# Altium PCB Archimajor.PcbDoc (part 6 of 12)
Units mm, origin at the board's own origin, x right, y up, seen from the top; angles counter-clockwise.
Board outline 190 x 140 mm, 6 copper layers (Top Layer, Top GND, Power Plane, Mid1, Bot GND, Bottom Layer), stack 1.776 mm thick; 842 components, 658 nets, 2620 pads, 2775 vias.
Unrouted connection lines stored in the file: 128.
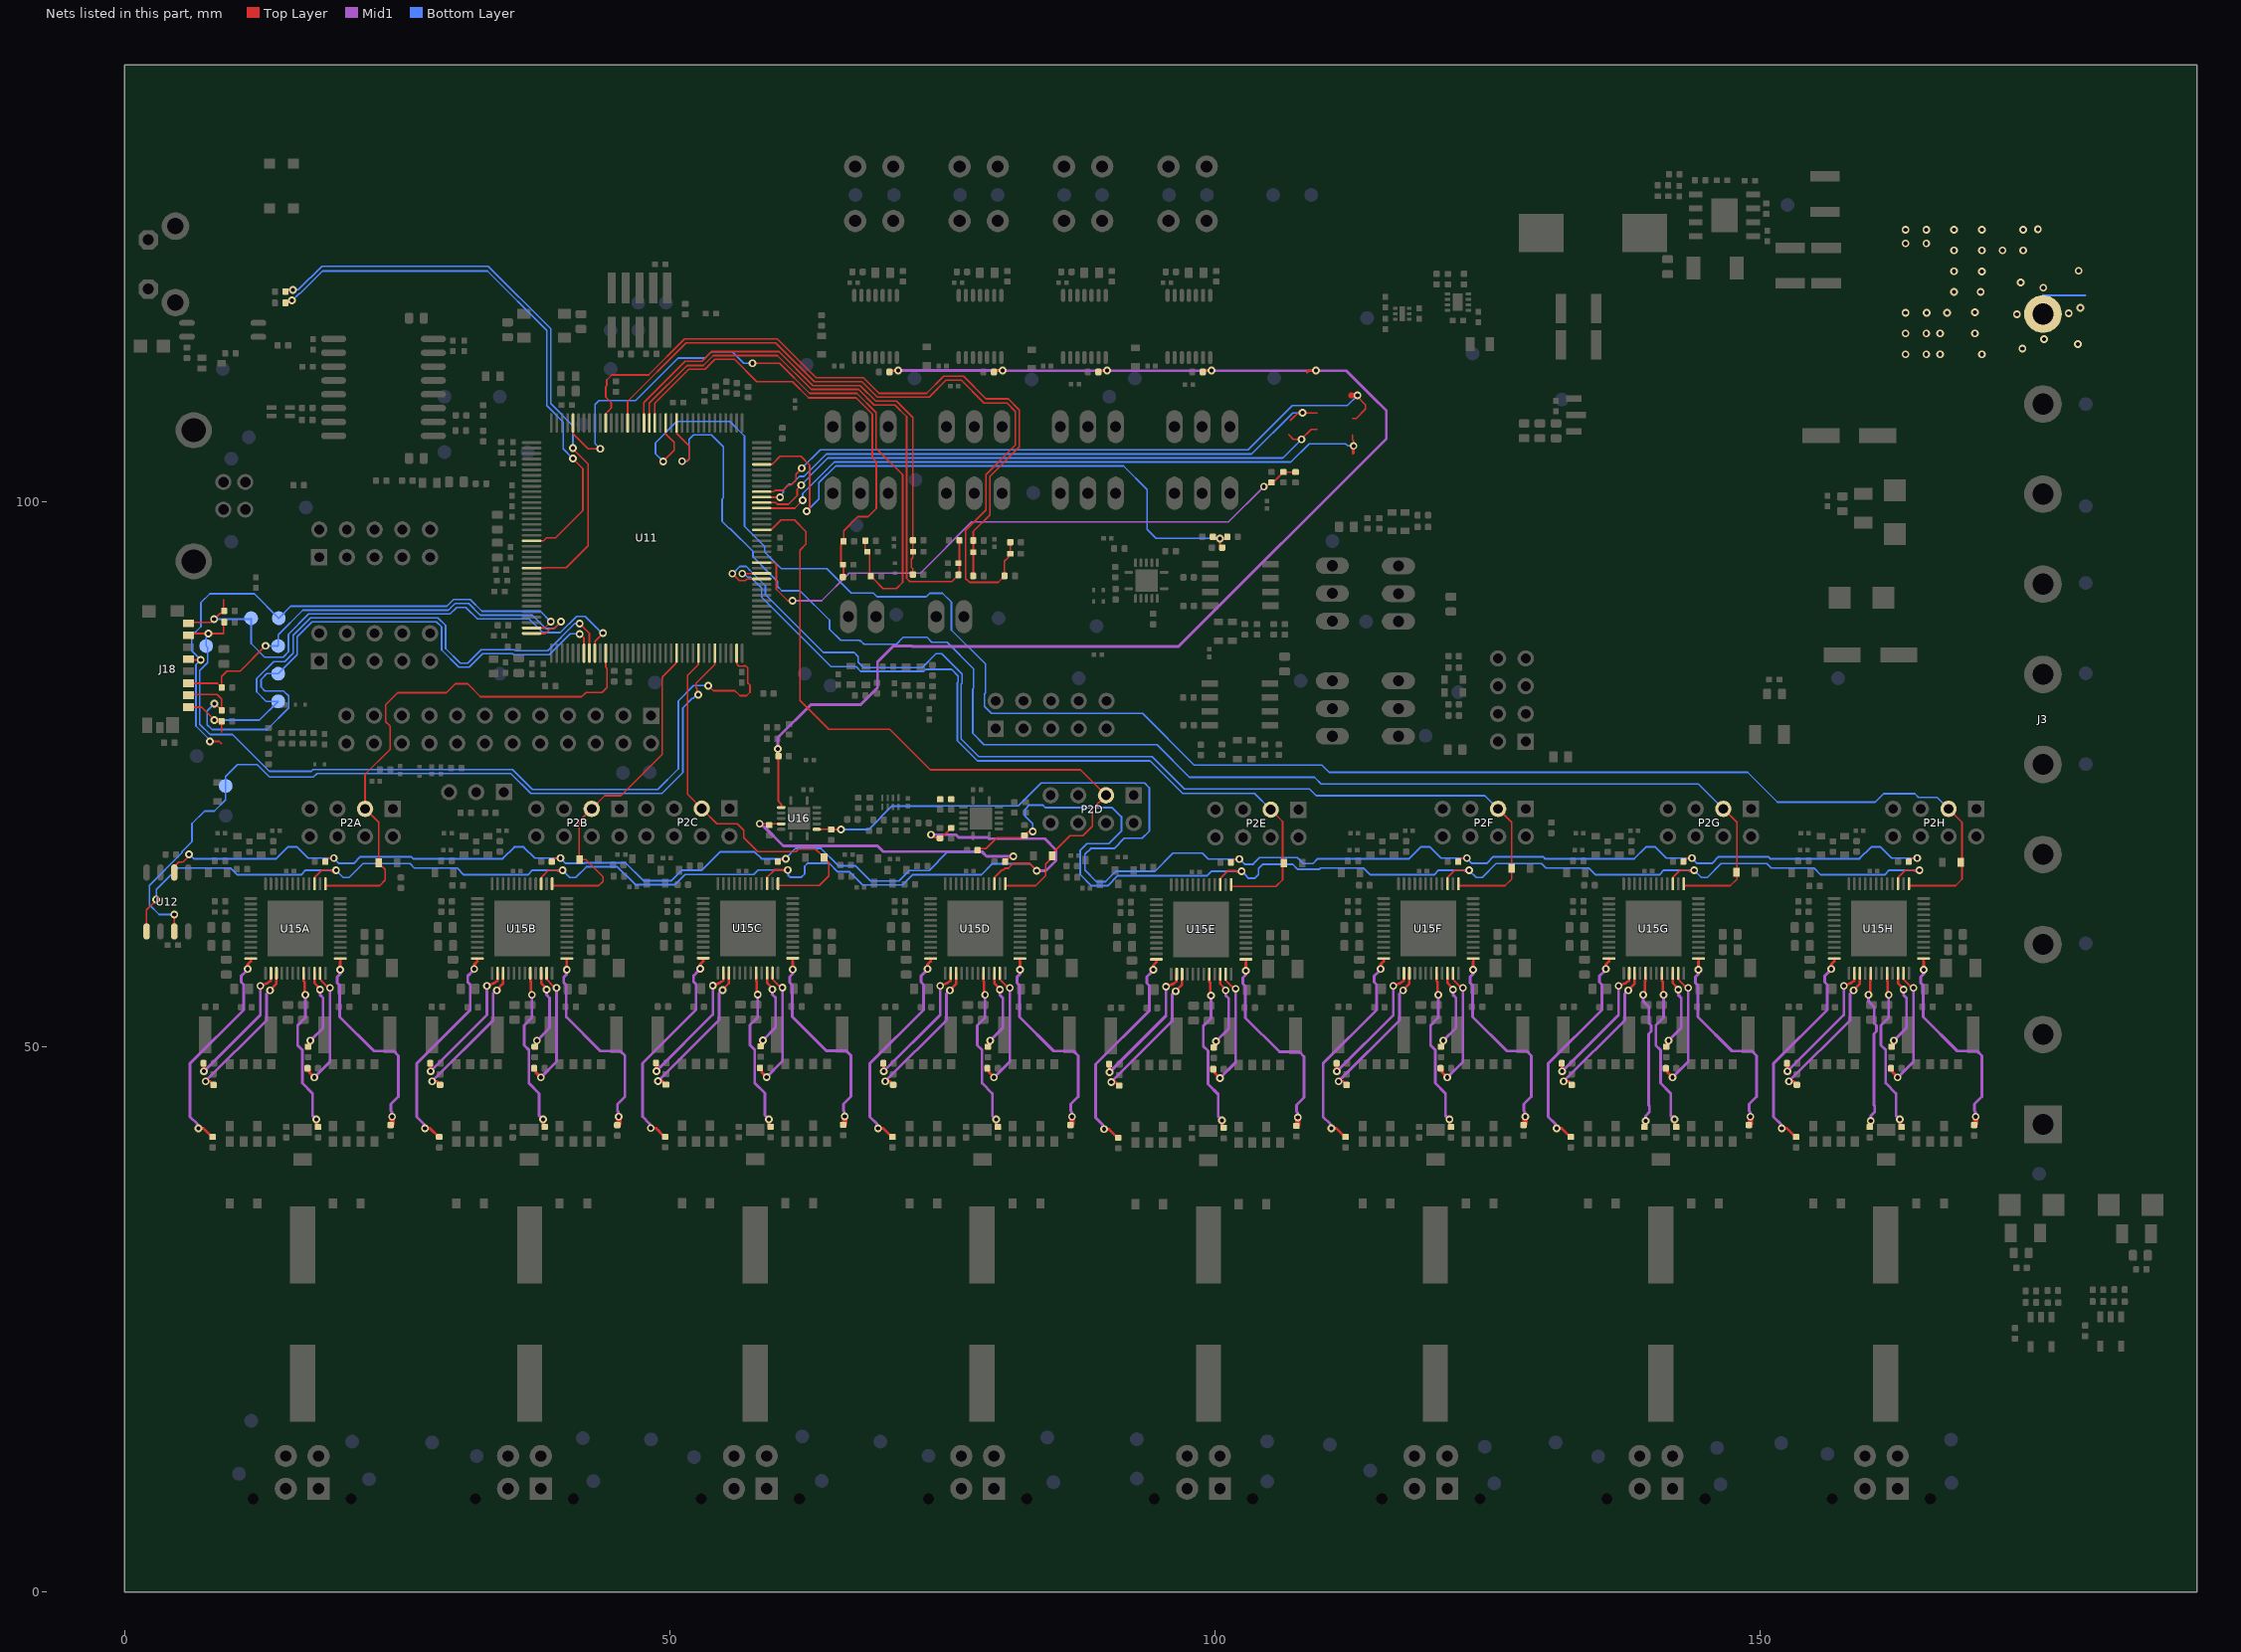
[diagram p10: the nets of this part, all layers, seen from the top]

## Via types
v1: diameter 0.711, hole 0.381, Top Layer to Bottom Layer, tented both sides, 2401 vias
v2: diameter 0.559, hole 0.254, Top Layer to Bottom Layer, 222 vias
v3: diameter 0.711, hole 0.381, Top Layer to Bottom Layer, 109 vias
v4: diameter 0.737, hole 0.381, Top Layer to Bottom Layer, tented both sides, 16 vias
v5: diameter 0.762, hole 0.381, Top Layer to Bottom Layer, 16 vias
v6: diameter 0.559, hole 0.254, Top Layer to Bottom Layer, tented both sides, 11 vias

## Nets (pads, with @x,y where several pads share a name; then routed paths per layer and width w, separated by ;. In a path a pad name is that pad's centre, name@x,y a point inside that pad or via, vN(x,y) a via of type N, cw(c..) or ccw(c..) an arc to the next point about the centre after c; other vN are vias at no path point) (continued)
HA1G: R164G.1 U15G.41 | length 14.5
  Top Layer w0.229: v1@139.389,55.027 139.389,56.002 139.458,56.07 U15G.41@139.458,56.735
  Top Layer w0.254: R164G.1@139.416,42.635 139.46,42.679 v1(139.46,43.193)
  Mid1 w0.254: v1(139.248,54.759) 139.248,54.165 139.574,53.839 139.765,53.648 139.765,52.154 139.968,51.951 139.968,51.403 139.74,51.175 139.74,44.635 139.816,44.559 139.816,44.012 139.46,43.656 v1(139.46,43.193)
HA1H: R164H.1 U15H.41 | length 14.5
  Top Layer w0.229: v1@160.04,55.027 160.04,56.002 160.108,56.07 U15H.41@160.108,56.735
  Top Layer w0.254: R164H.1@160.067,42.635 160.111,42.679 v1(160.111,43.193)
  Mid1 w0.254: v1(159.898,54.759) 159.898,54.165 160.224,53.839 160.415,53.648 160.415,52.154 160.619,51.951 160.619,51.403 160.39,51.175 160.39,44.635 160.466,44.559 160.466,44.012 160.111,43.656 v1(160.111,43.193)
HA2A: R165A.2 U15A.36 | length 19.9
  Top Layer w0.229: 11.582,57.824 U15A.36@11.582,58.085
  Top Layer w0.254: v1(6.775,42.51) 7.237,42.51 R165A.2@8.026,41.72 ; v1(11.295,57.129) 11.295,57.537 11.582,57.824
  Mid1 w0.254: v1@6.675,42.56 6.675,42.91 6.02,43.565 6.02,48.463 10.93,53.373 10.93,55.688 10.702,55.916 10.702,56.484 11.103,56.886 11.178,56.886 11.295,57.003 v1(11.295,57.129)
HA2B: R165B.2 U15B.36 | length 19.9
  Top Layer w0.229: 32.357,57.824 U15B.36@32.357,58.085
  Top Layer w0.254: v1(27.55,42.51) 28.012,42.51 R165B.2@28.801,41.72 ; v1(32.07,57.129) 32.07,57.537 32.357,57.824
  Mid1 w0.254: v1@27.45,42.56 27.45,42.91 26.795,43.565 26.795,48.463 31.705,53.373 31.705,55.688 31.477,55.916 31.477,56.484 31.878,56.886 31.953,56.886 32.07,57.003 v1(32.07,57.129)
HA2C: R165C.2 U15C.36 | length 19.9
  Top Layer w0.229: 53.065,57.848 U15C.36@53.065,58.11
  Top Layer w0.254: v1(48.258,42.534) 48.719,42.534 R165C.2@49.509,41.745 ; v1(52.778,57.153) 52.778,57.561 53.065,57.848
  Mid1 w0.254: v1@48.158,42.584 48.158,42.934 47.503,43.59 47.503,48.487 52.413,53.398 52.413,55.712 52.184,55.941 52.184,56.509 52.586,56.911 52.661,56.911 52.778,57.028 v1(52.778,57.153)
HA2D: R165D.2 U15D.36 | length 19.9
  Top Layer w0.229: 73.907,57.824 U15D.36@73.907,58.085
  Top Layer w0.254: v1(69.1,42.51) 69.562,42.51 R165D.2@70.351,41.72 ; v1(73.62,57.129) 73.62,57.537 73.907,57.824
  Mid1 w0.254: v1@69,42.56 69,42.91 68.345,43.565 68.345,48.463 73.255,53.373 73.255,55.688 73.027,55.916 73.027,56.484 73.428,56.886 73.503,56.886 73.62,57.003 v1(73.62,57.129)
HA2E: R165E.2 U15E.36 | length 19.9
  Top Layer w0.229: 94.615,57.748 U15E.36@94.615,58.01
  Top Layer w0.254: v1(89.808,42.434) 90.269,42.434 R165E.2@91.059,41.645 ; v1(94.328,57.053) 94.328,57.461 94.615,57.748
  Mid1 w0.254: v1@89.708,42.484 89.708,42.834 89.053,43.49 89.053,48.387 93.963,53.298 93.963,55.612 93.734,55.841 93.734,56.409 94.136,56.811 94.211,56.811 94.328,56.928 v1(94.328,57.053)
HA2F: R165F.2 U15F.36 | length 19.9
  Top Layer w0.229: 115.457,57.824 U15F.36@115.457,58.085
  Top Layer w0.254: v1(110.65,42.51) 111.112,42.51 R165F.2@111.901,41.72 ; v1(115.17,57.129) 115.17,57.537 115.457,57.824
  Mid1 w0.254: v1@110.55,42.56 110.55,42.91 109.895,43.565 109.895,48.463 114.805,53.373 114.805,55.688 114.577,55.916 114.577,56.484 114.978,56.886 115.053,56.886 115.17,57.003 v1(115.17,57.129)
HA2G: R165G.2 U15G.36 | length 19.9
  Top Layer w0.229: 136.108,57.824 U15G.36@136.108,58.085
  Top Layer w0.254: v1(131.3,42.51) 131.762,42.51 R165G.2@132.552,41.72 ; v1(135.821,57.129) 135.821,57.537 136.108,57.824
  Mid1 w0.254: v1@131.2,42.56 131.2,42.91 130.545,43.565 130.545,48.463 135.455,53.373 135.455,55.688 135.227,55.916 135.227,56.484 135.629,56.886 135.703,56.886 135.821,57.003 v1(135.821,57.129)
HA2H: R165H.2 U15H.36 | length 19.9
  Top Layer w0.229: 156.758,57.824 U15H.36@156.758,58.085
  Top Layer w0.254: v1(151.95,42.51) 152.412,42.51 R165H.2@153.202,41.72 ; v1(156.471,57.129) 156.471,57.537 156.758,57.824
  Mid1 w0.254: v1@151.85,42.56 151.85,42.91 151.195,43.565 151.195,48.463 156.106,53.373 156.106,55.688 155.877,55.916 155.877,56.484 156.279,56.886 156.354,56.886 156.471,57.003 v1(156.471,57.129)
HB1A: R110A.1 U15A.1 | length 19.1
  Top Layer w0.229: 19.782,57.773 U15A.1@19.782,58.085
  Top Layer w0.254: v1(19.782,57.05) 19.782,57.773
  Top Layer w0.508: R110A.1@24.409,42.81 24.551,42.952 v1(24.551,43.587)
  Mid1 w0.254: v1(19.782,57.05) 19.782,56.671 19.507,56.396 19.507,55.848 19.736,55.62 19.736,52.724 22.864,49.596 23.317,49.596 24.689,49.596 25.118,49.167 25.118,45.412 24.434,44.728 24.434,44.101 24.519,44.016 v1@24.519,43.81 ; v1@24.435,43.587 v1(24.551,43.587)
HB1B: R110B.1 U15B.1 | length 19.1
  Top Layer w0.229: 40.557,57.773 U15B.1@40.557,58.085
  Top Layer w0.254: v1(40.557,57.05) 40.557,57.773
  Top Layer w0.508: R110B.1@45.184,42.81 45.326,42.952 v1(45.326,43.587)
  Mid1 w0.254: v1(40.557,57.05) 40.557,56.671 40.282,56.396 40.282,55.848 40.511,55.62 40.511,52.724 43.639,49.596 44.092,49.596 45.464,49.596 45.893,49.167 45.893,45.412 45.209,44.728 45.209,44.101 45.294,44.016 v1@45.294,43.81 ; v1@45.21,43.587 v1(45.326,43.587)
HB1C: R110C.1 U15C.1 | length 19.1
  Top Layer w0.229: 61.265,57.797 U15C.1@61.265,58.11
  Top Layer w0.254: v1(61.265,57.075) 61.265,57.797
  Top Layer w0.508: R110C.1@65.892,42.834 66.034,42.976 v1(66.034,43.611)
  Mid1 w0.254: v1(61.265,57.075) 61.265,56.695 60.99,56.42 60.99,55.873 61.219,55.644 61.219,52.749 64.347,49.62 64.8,49.62 66.172,49.62 66.601,49.191 66.601,45.437 65.916,44.752 65.916,44.126 66.002,44.04 v1@66.002,43.834 ; v1@65.918,43.611 v1(66.034,43.611)
HB1D: R110D.1 U15D.1 | length 19.1
  Top Layer w0.229: 82.107,57.773 U15D.1@82.107,58.085
  Top Layer w0.254: v1(82.107,57.05) 82.107,57.773
  Top Layer w0.508: R110D.1@86.734,42.81 86.876,42.952 v1(86.876,43.587)
  Mid1 w0.254: v1(82.107,57.05) 82.107,56.671 81.832,56.396 81.832,55.848 82.061,55.62 82.061,52.724 85.189,49.596 85.642,49.596 87.014,49.596 87.443,49.167 87.443,45.412 86.759,44.728 86.759,44.101 86.844,44.016 v1@86.844,43.81 ; v1@86.76,43.587 v1(86.876,43.587)
HB1E: R110E.1 U15E.1 | length 19.1
  Top Layer w0.229: 102.815,57.697 U15E.1@102.815,58.01
  Top Layer w0.254: v1(102.815,56.975) 102.815,57.697
  Top Layer w0.508: R110E.1@107.442,42.734 107.584,42.876 v1(107.584,43.511)
  Mid1 w0.254: v1(102.815,56.975) 102.815,56.595 102.54,56.32 102.54,55.773 102.769,55.544 102.769,52.649 105.897,49.52 106.35,49.52 107.722,49.52 108.151,49.091 108.151,45.337 107.466,44.652 107.466,44.026 107.552,43.94 v1@107.552,43.734 ; v1@107.468,43.511 v1(107.584,43.511)
HB1F: R110F.1 U15F.1 | length 19.1
  Top Layer w0.229: 123.657,57.773 U15F.1@123.657,58.085
  Top Layer w0.254: v1(123.657,57.05) 123.657,57.773
  Top Layer w0.508: R110F.1@128.284,42.81 128.426,42.952 v1(128.426,43.587)
  Mid1 w0.254: v1(123.657,57.05) 123.657,56.671 123.382,56.396 123.382,55.848 123.611,55.62 123.611,52.724 126.739,49.596 127.192,49.596 128.564,49.596 128.993,49.167 128.993,45.412 128.309,44.728 128.309,44.101 128.394,44.016 v1@128.394,43.81 ; v1@128.31,43.587 v1(128.426,43.587)
HB1G: R110G.1 U15G.1 | length 19.1
  Top Layer w0.229: 144.308,57.773 U15G.1@144.308,58.085
  Top Layer w0.254: v1(144.308,57.05) 144.308,57.773
  Top Layer w0.508: R110G.1@148.935,42.81 149.076,42.952 v1(149.076,43.587)
  Mid1 w0.254: v1(144.308,57.05) 144.308,56.671 144.032,56.396 144.032,55.848 144.261,55.62 144.261,52.724 147.389,49.596 147.842,49.596 149.214,49.596 149.643,49.167 149.643,45.412 148.959,44.728 148.959,44.101 149.044,44.016 v1@149.044,43.81 ; v1@148.96,43.587 v1(149.076,43.587)
HB1H: R110H.1 U15H.1 | length 19.1
  Top Layer w0.229: 164.958,57.773 U15H.1@164.958,58.085
  Top Layer w0.254: v1(164.958,57.05) 164.958,57.773
  Top Layer w0.508: R110H.1@169.585,42.81 169.727,42.952 v1(169.727,43.587)
  Mid1 w0.254: v1(164.958,57.05) 164.958,56.671 164.683,56.396 164.683,55.848 164.911,55.62 164.911,52.724 168.039,49.596 168.493,49.596 169.864,49.596 170.294,49.167 170.294,45.412 169.609,44.728 169.609,44.101 169.694,44.016 v1@169.694,43.81 ; v1@169.61,43.587 v1(169.727,43.587)
HB2A: R111A.2 U15A.44 | length 15.2
  Top Layer w0.229: U15A.44@16.432,56.735 16.432,56.022 16.501,55.954 16.501,54.769 16.51,54.759 v1(16.58,54.759)
  Top Layer w0.254: v1(17.602,43.32) 17.602,42.685 R111A.2@17.653,42.635
  Mid1 w0.254: v1(16.58,54.759) 16.58,52.661 15.875,51.956 15.875,50.128 16.307,49.696 16.307,46.648 17.247,45.708 17.247,43.676 v1(17.602,43.32)
HB2B: R111B.2 U15B.44 | length 15.2
  Top Layer w0.229: U15B.44@37.207,56.735 37.207,56.022 37.276,55.954 37.276,54.769 37.285,54.759 v1(37.355,54.759)
  Top Layer w0.254: v1(38.377,43.32) 38.377,42.685 R111B.2@38.428,42.635
  Mid1 w0.254: v1(37.355,54.759) 37.355,52.661 36.65,51.956 36.65,50.128 37.082,49.696 37.082,46.648 38.022,45.708 38.022,43.676 v1(38.377,43.32)
HB2C: R111C.2 U15C.44 | length 15.2
  Top Layer w0.229: U15C.44@57.915,56.76 57.915,56.046 57.983,55.978 57.983,54.793 57.993,54.784 v1(58.063,54.784)
  Top Layer w0.254: v1(59.085,43.345) 59.085,42.71 R111C.2@59.136,42.659
  Mid1 w0.254: v1(58.063,54.784) 58.063,52.686 57.358,51.981 57.358,50.152 57.79,49.72 57.79,46.672 58.729,45.732 58.729,43.7 v1(59.085,43.345)
HB2D: R111D.2 U15D.44 | length 15.2
  Top Layer w0.229: U15D.44@78.757,56.735 78.757,56.022 78.826,55.954 78.826,54.769 78.835,54.759 v1(78.905,54.759)
  Top Layer w0.254: v1(79.927,43.32) 79.927,42.685 R111D.2@79.978,42.635
  Mid1 w0.254: v1(78.905,54.759) 78.905,52.661 78.2,51.956 78.2,50.128 78.632,49.696 78.632,46.648 79.572,45.708 79.572,43.676 v1(79.927,43.32)
HB2E: R111E.2 U15E.44 | length 15.2
  Top Layer w0.229: U15E.44@99.465,56.66 99.465,55.946 99.533,55.878 99.533,54.693 99.543,54.684 v1(99.613,54.684)
  Top Layer w0.254: v1(100.635,43.245) 100.635,42.61 R111E.2@100.686,42.559
  Mid1 w0.254: v1(99.613,54.684) 99.613,52.586 98.908,51.881 98.908,50.052 99.34,49.62 99.34,46.572 100.279,45.632 100.279,43.6 v1(100.635,43.245)
HB2F: R111F.2 U15F.44 | length 15.2
  Top Layer w0.229: U15F.44@120.307,56.735 120.307,56.022 120.376,55.954 120.376,54.769 120.385,54.759 v1(120.455,54.759)
  Top Layer w0.254: v1(121.477,43.32) 121.477,42.685 R111F.2@121.528,42.635
  Mid1 w0.254: v1(120.455,54.759) 120.455,52.661 119.75,51.956 119.75,50.128 120.182,49.696 120.182,46.648 121.122,45.708 121.122,43.676 v1(121.477,43.32)
HB2G: R111G.2 U15G.44 | length 15.2
  Top Layer w0.229: U15G.44@140.958,56.735 140.958,56.022 141.026,55.954 141.026,54.769 141.035,54.759 v1(141.105,54.759)
  Top Layer w0.254: v1(142.127,43.32) 142.127,42.685 R111G.2@142.178,42.635
  Mid1 w0.254: v1(141.105,54.759) 141.105,52.661 140.4,51.956 140.4,50.128 140.832,49.696 140.832,46.648 141.772,45.708 141.772,43.676 v1(142.127,43.32)
HB2H: R111H.2 U15H.44 | length 15.2
  Top Layer w0.229: U15H.44@161.608,56.735 161.608,56.022 161.676,55.954 161.676,54.769 161.685,54.759 v1(161.755,54.759)
  Top Layer w0.254: v1(162.778,43.32) 162.778,42.685 R111H.2@162.828,42.635
  Mid1 w0.254: v1(161.755,54.759) 161.755,52.661 161.05,51.956 161.05,50.128 161.482,49.696 161.482,46.648 162.422,45.708 162.422,43.676 v1(162.778,43.32)
HEAT1: U11.132 | length 58.9
  Top Layer w0.152: U11.132@58.429,99.388 59.312,99.388 59.321,99.378 61.459,99.378 v1(62.191,100.111) ; 112.586,106.109 112.586,105.666 112.673,105.579 112.673,105.104 v1(112.693,105.084)
  Top Layer w0.254: 112.643,104.417 112.668,104.442 112.668,105.059 v1(112.693,105.084)
  Bottom Layer w0.152: v1(62.191,100.111) 62.191,100.731 65.07,103.61 106.943,103.61 108.618,105.284 111.968,105.284 112.168,105.084 v1(112.693,105.084)
HEAT2: U11.133 | length 55.6
  Top Layer w0.152: U11.133@58.429,99.888 59.701,99.888 59.855,99.734 60.891,99.734 61.678,100.521 61.678,101.119 v1(62.043,101.484) ; 106.743,106.121 107.18,105.684 v1(107.918,105.684) 107.918,105.725 108.802,106.609 109.336,106.609
  Bottom Layer w0.152: v1(62.043,101.484) 62.818,102.259 62.818,102.306 64.49,103.979 106.212,103.979 v1(107.918,105.684)
HEAT3: U11.135 | length 62.3
  Top Layer w0.152: U11.135@58.429,100.888 59.523,100.888 59.655,101.02 60.38,101.02 60.847,101.486 61.089,101.486 61.555,101.952 61.555,102.497 v1(62.093,103.034) ; 112.586,107.609 112.939,107.609 113.793,108.463 113.793,108.861 112.938,109.716 v1@112.932,109.723
  Top Layer w0.508: 112.472,109.723 112.479,109.716 112.938,109.716 113.036,109.716 v1(113.043,109.709)
  Bottom Layer w0.152: v1(62.093,103.034) 63.793,104.734 103.018,104.734 107.068,108.784 112.118,108.784 v1(113.043,109.709)
HEATBED: U11.134 | length 55.6
  Top Layer w0.152: U11.134@58.429,100.388 58.448,100.369 v1(60.118,100.369) ; 106.893,107.409 107.173,107.688 107.181,107.688 107.556,108.063 107.558,108.065 v1@108.144,108.065 ; v1@108.261,108.109 109.336,108.109
  Bottom Layer w0.152: v1(60.118,100.369) 60.118,100.52 60.408,100.81 60.408,101.047 60.936,101.576 61.179,101.576 61.888,102.284 62.293,102.284 64.343,104.334 103.343,104.334 107.121,108.112 v1(108,108.112)
HOLD#: TP78.1 U11.103 U12.7 | length 76.4
  Top Layer w0.152: v1@4.542,62.059 v1@4.572,62.029 ; U12.7@4.572,60.571 v1@4.572,62.029 ; v1@4.593,62.015 4.587,62.015 v1@4.572,62.029 ; v1(52.607,82.285) 52.5,82.392 52.5,82.834 52.4,82.935 52.4,83.323 54.129,85.052 U11.103@54.129,86.088
  Bottom Layer w0.152: v1(4.568,62.115) 3.188,62.115 2.283,63.019 2.283,64.799 5.283,67.799 5.283,67.897 6.193,68.807 6.193,70.459 7.34,71.607 8.24,71.607 9.274,72.641 TP78.1@9.274,73.908 9.274,74.764 10.372,75.862 12.17,75.862 13.31,74.722 17.324,74.722 17.652,75.051 35.42,75.051 37.251,73.219 49.287,73.219 51.193,75.125 51.193,81.078 52.037,81.922 52.144,81.922 52.508,82.285 v1(52.607,82.285)
HTBD-OUT: J3.10 | length 3.9
  Bottom Layer w0.203: 175.895,118.942 175.94,118.897 179.754,118.897
  other v1: 163.3,113.486 165.205,113.486 166.475,113.486 170.285,113.486 174.009,114.012 179.1,114.428 176.01,114.883 163.3,115.391 165.205,115.391 166.475,115.391 169.65,115.391 173.513,117.162 178.249,117.241 163.3,117.296 165.227,117.296 167.11,117.296 169.65,117.346 179.318,117.736 167.745,119.201 170.179,119.201 175.931,119.599 173.85,120.074 170.285,121.065 167.745,121.106 179.16,121.144 167.745,123.011 170.285,123.011 172.19,123.011 174.095,123.011 163.3,123.646 165.205,123.646 163.3,124.916 165.205,124.916 167.745,124.916 170.285,124.916 174.095,124.916 175.435,124.948
LA1A: R166A.1 U15A.39 | length 13.7
  Top Layer w0.229: v1@13.237,55.125 13.241,55.129 v1@13.241,55.085 ; v1@13.241,55.033 v1@13.241,55.085 ; U15A.39@13.932,56.735 13.932,55.777 13.36,55.205 v1(13.36,55.157) 13.313,55.157 v1@13.241,55.085
  Top Layer w0.254: v1(7.437,46.825) 7.832,46.825 R166A.1@8.162,46.495
  Mid1 w0.254: v1(7.437,46.825) 13.03,52.418 13.03,54.874 13.313,55.157 v1(13.36,55.157)
LA1B: R166B.1 U15B.39 | length 13.7
  Top Layer w0.229: v1@34.012,55.125 34.016,55.129 v1@34.016,55.085 ; v1@34.016,55.033 v1@34.016,55.085 ; U15B.39@34.707,56.735 34.707,55.777 34.135,55.205 v1(34.135,55.157) 34.088,55.157 v1@34.016,55.085
  Top Layer w0.254: v1(28.212,46.825) 28.607,46.825 R166B.1@28.937,46.495
  Mid1 w0.254: v1(28.212,46.825) 33.805,52.418 33.805,54.874 34.088,55.157 v1(34.135,55.157)
LA1C: R166C.1 U15C.39 | length 13.7
  Top Layer w0.229: v1@54.72,55.15 54.724,55.153 v1@54.724,55.109 ; v1@54.724,55.058 v1@54.724,55.109 ; U15C.39@55.415,56.76 55.415,55.801 54.843,55.229 v1(54.843,55.181) 54.795,55.181 v1@54.724,55.109
  Top Layer w0.254: v1(48.92,46.85) 49.315,46.85 R166C.1@49.645,46.52
  Mid1 w0.254: v1(48.92,46.85) 54.513,52.443 54.513,54.899 54.795,55.181 v1(54.843,55.181)
LA1D: R166D.1 U15D.39 | length 13.7
  Top Layer w0.229: v1@75.562,55.125 75.566,55.129 v1@75.566,55.085 ; v1@75.566,55.033 v1@75.566,55.085 ; U15D.39@76.257,56.735 76.257,55.777 75.685,55.205 v1(75.685,55.157) 75.638,55.157 v1@75.566,55.085
  Top Layer w0.254: v1(69.762,46.825) 70.157,46.825 R166D.1@70.487,46.495
  Mid1 w0.254: v1(69.762,46.825) 75.355,52.418 75.355,54.874 75.638,55.157 v1(75.685,55.157)
LA1E: R166E.1 U15E.39 | length 13.7
  Top Layer w0.229: v1@96.27,55.05 96.274,55.053 v1@96.274,55.01 ; v1@96.274,54.958 v1@96.274,55.01 ; U15E.39@96.965,56.66 96.965,55.701 96.393,55.129 v1(96.393,55.081) 96.345,55.081 v1@96.274,55.01
  Top Layer w0.254: v1(90.47,46.75) 90.865,46.75 R166E.1@91.195,46.42
  Mid1 w0.254: v1(90.47,46.75) 96.063,52.343 96.063,54.799 96.345,55.081 v1(96.393,55.081)
LA1F: R166F.1 U15F.39 | length 13.7
  Top Layer w0.229: v1@117.112,55.125 117.116,55.129 v1@117.116,55.085 ; v1@117.116,55.033 v1@117.116,55.085 ; U15F.39@117.807,56.735 117.807,55.777 117.235,55.205 v1(117.235,55.157) 117.188,55.157 v1@117.116,55.085
  Top Layer w0.254: v1(111.312,46.825) 111.707,46.825 R166F.1@112.037,46.495
  Mid1 w0.254: v1(111.312,46.825) 116.905,52.418 116.905,54.874 117.188,55.157 v1(117.235,55.157)
LA1G: R166G.1 U15G.39 | length 13.7
  Top Layer w0.229: v1@137.763,55.125 137.766,55.129 v1@137.766,55.085 ; v1@137.766,55.033 v1@137.766,55.085 ; U15G.39@138.458,56.735 138.458,55.777 137.886,55.205 v1(137.886,55.157) 137.838,55.157 v1@137.766,55.085
  Top Layer w0.254: v1(131.963,46.825) 132.358,46.825 R166G.1@132.688,46.495
  Mid1 w0.254: v1(131.963,46.825) 137.555,52.418 137.555,54.874 137.838,55.157 v1(137.886,55.157)
LA1H: R166H.1 U15H.39 | length 13.7
  Top Layer w0.229: v1@158.413,55.125 158.416,55.129 v1@158.416,55.085 ; v1@158.416,55.033 v1@158.416,55.085 ; U15H.39@159.108,56.735 159.108,55.777 158.536,55.205 v1(158.536,55.157) 158.488,55.157 v1@158.416,55.085
  Top Layer w0.254: v1(152.613,46.825) 153.008,46.825 R166H.1@153.338,46.495
  Mid1 w0.254: v1(152.613,46.825) 158.206,52.418 158.206,54.874 158.488,55.157 v1(158.536,55.157)
LA2A: R167A.2 U15A.38 | length 12.6
  Top Layer w0.229: 13.128,55.83 13.192,55.894 13.432,56.045 U15A.38@13.432,56.735
  Top Layer w0.254: R167A.2@7.255,48.475 7.212,48.433 7.29,48.356 v1(7.29,47.74) ; v1(12.462,55.575) 13.039,55.805
  Mid1 w0.254: v1(7.29,47.74) 7.237,47.74 7.22,47.758 7.307,47.758 12.462,52.913 v1(12.462,55.575)
LA2B: R167B.2 U15B.38 | length 12.6
  Top Layer w0.229: 33.903,55.83 33.967,55.894 34.207,56.045 U15B.38@34.207,56.735
  Top Layer w0.254: R167B.2@28.03,48.475 27.987,48.433 28.065,48.356 v1(28.065,47.74) ; v1(33.237,55.575) 33.814,55.805
  Mid1 w0.254: v1(28.065,47.74) 28.012,47.74 27.995,47.758 28.082,47.758 33.237,52.913 v1(33.237,55.575)
LA2C: R167C.2 U15C.38 | length 12.6
  Top Layer w0.229: 54.611,55.854 54.675,55.918 54.915,56.07 U15C.38@54.915,56.76
  Top Layer w0.254: R167C.2@48.738,48.5 48.695,48.457 48.773,48.38 v1(48.773,47.764) ; v1(53.945,55.6) 54.522,55.83
  Mid1 w0.254: v1(48.773,47.764) 48.72,47.764 48.702,47.782 48.79,47.782 53.945,52.937 v1(53.945,55.6)
LA2D: R167D.2 U15D.38 | length 12.6
  Top Layer w0.229: 75.453,55.83 75.517,55.894 75.757,56.045 U15D.38@75.757,56.735
  Top Layer w0.254: R167D.2@69.58,48.475 69.537,48.433 69.615,48.356 v1(69.615,47.74) ; v1(74.787,55.575) 75.364,55.805
  Mid1 w0.254: v1(69.615,47.74) 69.562,47.74 69.545,47.758 69.632,47.758 74.787,52.913 v1(74.787,55.575)
LA2E: R167E.2 U15E.38 | length 12.6
  Top Layer w0.229: 96.161,55.754 96.225,55.818 96.465,55.97 U15E.38@96.465,56.66